# Altium PCB IFAT6.PcbDoc (part 2 of 5) (continued)
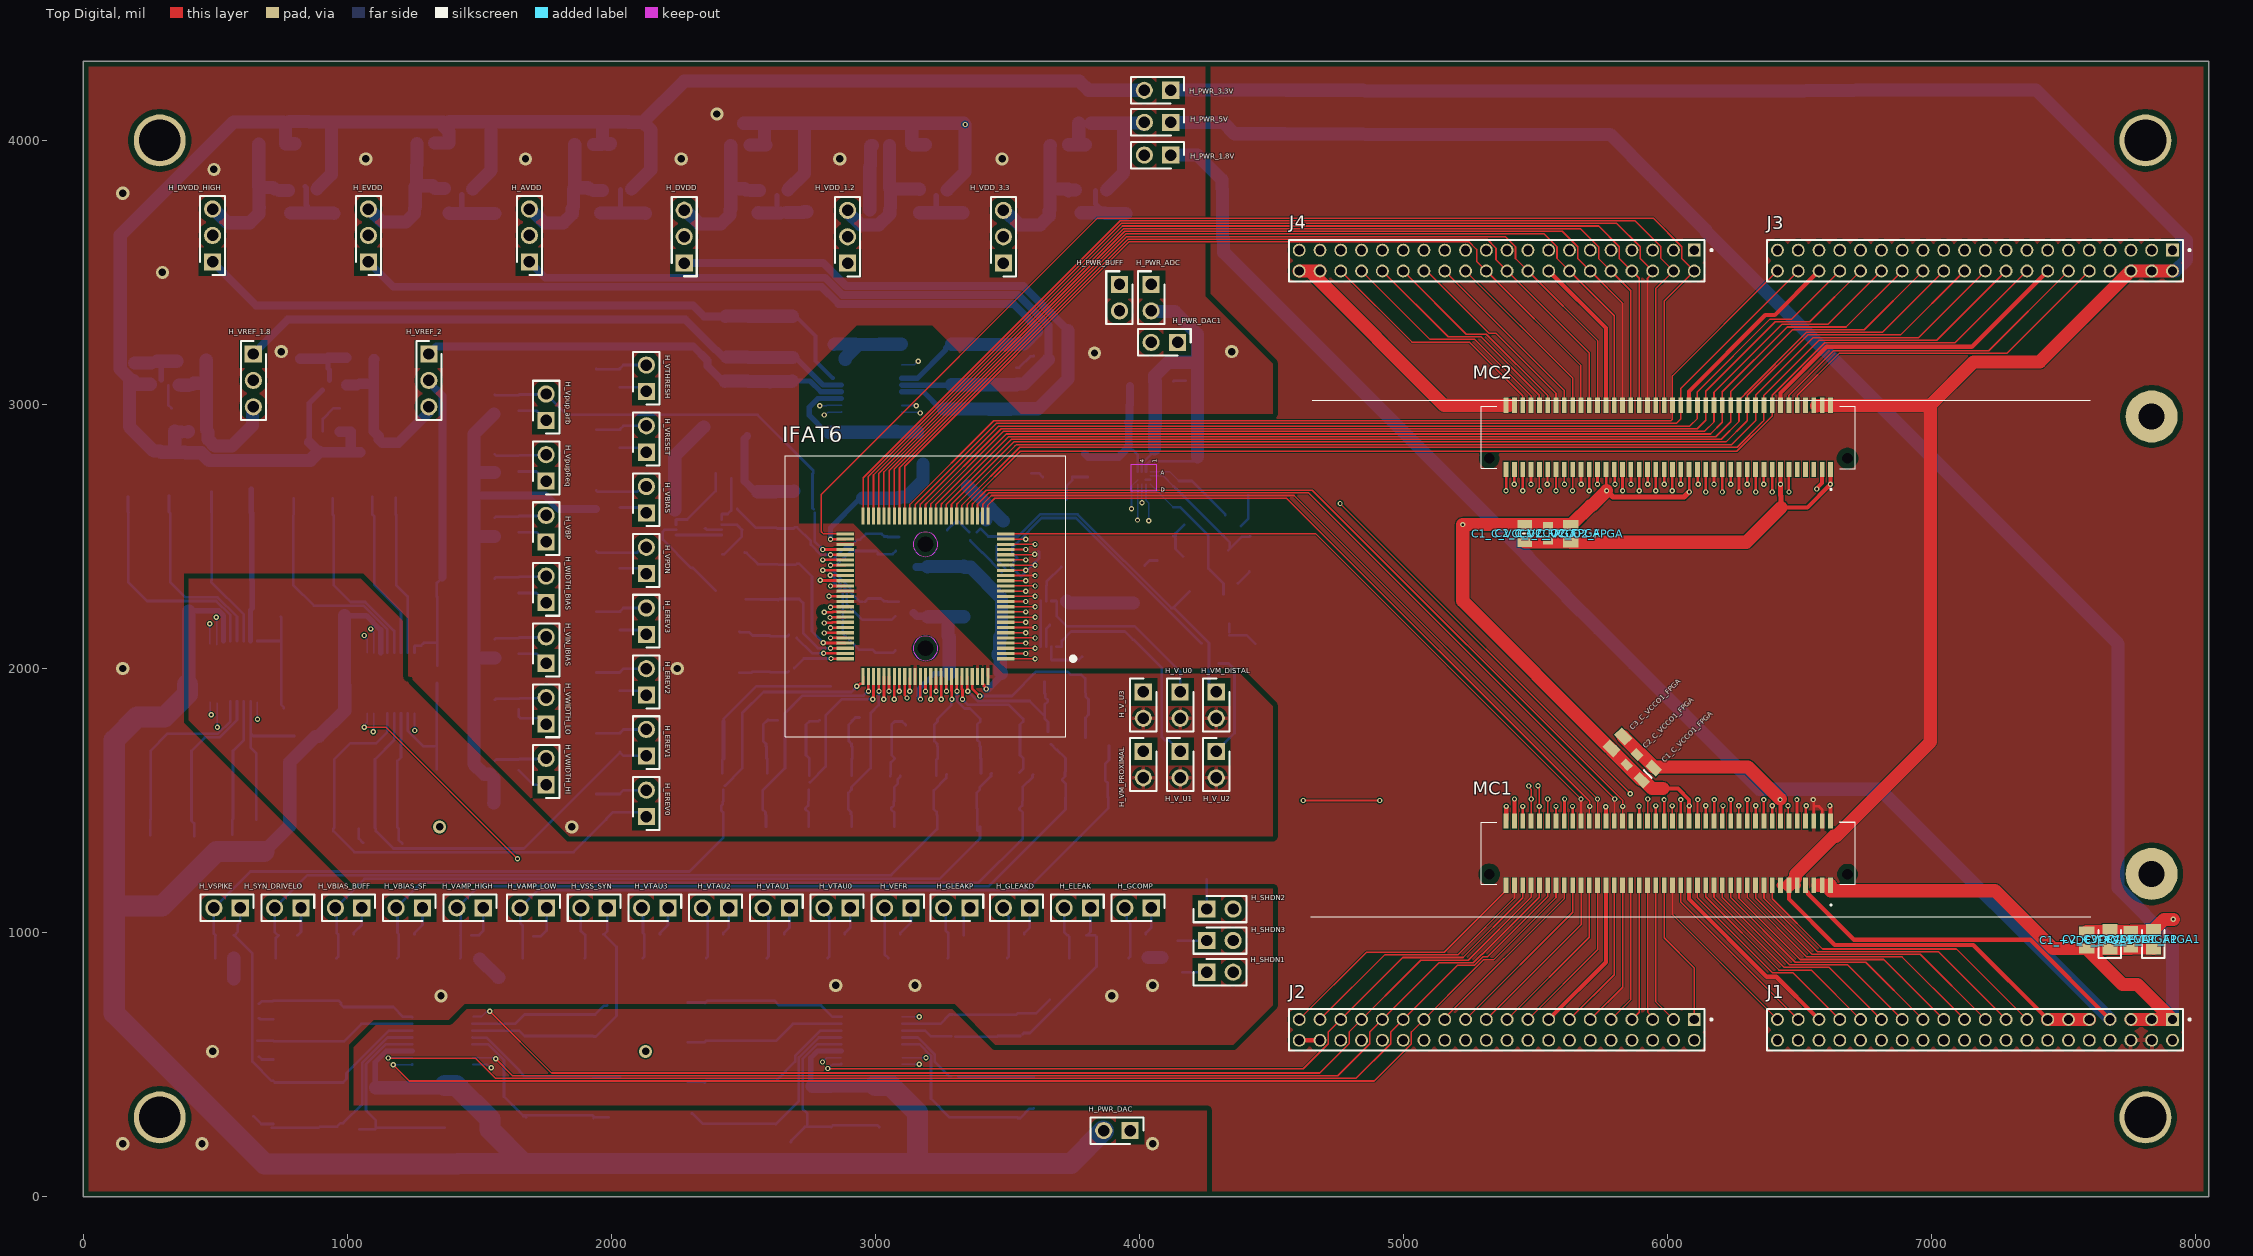
[diagram p0: Top Digital view]
## Components (designator, comment, footprint, x,y, rotation, side; value= is the part's Value field where it differs from the comment) (continued)
R_VREFR "1M" FP-CRCW0603-e3-MFG 3065,993.37 r0 bottom
R_VRESET "RP73PF1J499RBTDF" FP-RP73P-1J-MFG 2032.79,2869.17 r90 bottom value=499Ω
R_VSPIKE "RP73PF1J499RBTDF" FP-RP73P-1J-MFG 535,989.72 r180 bottom value=499Ω
R_VSS_SYN "RP73PF1J499RBTDF" FP-RP73P-1J-MFG 1935,993.37 r180 bottom value=499Ω
R_VTAU0 "1M" FP-CRCW0603-e3-MFG 2855,993.37 r0 bottom
R_VTAU1 "1M" FP-CRCW0603-e3-MFG 2625,993.37 r0 bottom
R_VTAU2 "1M" FP-CRCW0603-e3-MFG 2395,993.37 r0 bottom
R_VTAU3 "1M" FP-CRCW0603-e3-MFG 2155,993.37 r0 bottom
R_VTHRESH "RP73PF1J499RBTDF" FP-RP73P-1J-MFG 2032.79,3099.17 r90 bottom value=499Ω
R_VWIDTH_HI "RN731ETTP50R0F50" FP-RN731E-IPC_A 1650,1635 r90 bottom
R_VWIDTH_LO "RN731ETTP50R0F50" FP-RN731E-IPC_A 1650,1865 r90 bottom
R_WIDTH_BIAS "1M" FP-CRCW0603-e3-MFG 1649.27,2315.66 r270 bottom

## Footprints (in the part's own frame and the unit in brackets; to place one, negate y for a bottom-side part, rotate by r counter-clockwise, add the part's x,y. Pads: shape width x height; smd on the part's side, far side on the other; paste and mask are expansions set on the pad)
"ADI LT3045IMSE#PBF" [mm] "IC REG LINEAR 0V 500MA 12MSOP"
  rect 1.425x0.45 smd: 1(-2.212,1.625) 2(-2.212,0.975) 3(-2.212,0.325) 4(-2.212,-0.325) 5(-2.212,-0.975) 6(-2.212,-1.625) 7(2.212,-1.625) 8(2.212,-0.975) 9(2.212,-0.325) 10(2.212,0.325) 11(2.212,0.975) 12(2.212,1.625)
  rect 1.753x2.947 smd: 13(0,0)
  silkscreen extent -2.93,2.2 -1.5,2.2, body extent -2.45,-2.02 2.45,2.02, height 1.1
BGA16_YBH_TEX [mil]
  round 8 smd paste+0 mask+0: A1(-23.62,23.63) A2(-7.87,23.62) A3(7.88,23.63) A4(23.63,23.62) B1(-23.63,7.88) B2(-7.87,7.88) B3(7.88,7.87) B4(23.63,7.87) C1(-23.63,-7.87) C2(-7.88,-7.87) C3(7.87,-7.88) C4(23.62,-7.88) D1(-23.63,-23.62) D2(-7.88,-23.63) D3(7.87,-23.63) D4(23.62,-23.63)
  Keep-Out Layer region: -49,-49 -49,49 49,49 49,-49
  body extent -33,-33 33,33, height 16
CAPC1608X90N [mm]
  rect 0.78x0.99 smd: 1(-0.7,0) 2(0.7,0)
  body extent -0.8,-0.41 0.8,0.41, height 0.9
CAPC2012X88N [mm]
  rect 1.02x1.47 smd: 1(-0.8,0) 2(0.8,0)
  body extent -1,-0.63 1,0.63, height 0.88
ERA3KV_(0603) [mm]
  rect 0.65x0.9 smd: 1(-0.725,0) 2(0.725,0)
  silkscreen extent -1.62,-0.05 -1.53,0.05, body extent -0.8,-0.4 0.8,0.4, height 0.46
FP-CRCW0603-e3-MFG [mm]
  rect 0.75x1 smd paste+0 mask+0: 1(-0.75,0) 2(0.75,0)
  silkscreen extent -0.8,-0.9 0.8,0.9, body extent -0.77,-0.43 0.77,0.43, height 0.5
FP-RN731E-IPC_A [mil]
  rect 27.07x26.48 smd paste+0 mask+0: 1(-20.24,0) 2(20.24,0)
  silkscreen extent -34,-29 34,29, body extent -20,-10 20,10, height 16
FP-RP73P-1J-MFG [mm]
  rect 1x0.9 smd paste+0 mask+0: 1(-0.9,0) 2(0.9,0)
  silkscreen extent -0.03,-0.45 0.03,0.45, body extent -0.77,-0.4 0.77,0.4, height 0.55
FP-RT0603-MFG [mm]
  rect 0.9x0.8 smd paste+0 mask+0: 1(-0.85,0) 2(0.85,0)
  silkscreen extent -0.85,-0.81 0.86,0.8, body extent -0.76,-0.4 0.84,0.4, height 0.58
"KEMET C0805C104J8RACTU" [mm] "CAP CER 0.1UF 10V X7R 0805"
  rect 1.15x1.45 smd: 1(-0.9,0) 2(0.9,0)
  silkscreen extent -1.83,-1.07 0.9,1.07, body extent -1,-0.63 1,0.63, height 0.88
"KEMET C0805C106K4PACTU" [mm] "CAP CER 10UF 16V X5R 0805"
  rect 1.02x1.47 smd: 1(-0.8,0) 2(0.8,0)
  body extent -1.1,-0.44 1.1,0.44, height 1.45
"Panasonic ERA-6A Series Resistor" [mm] "RES SMD 0805"
  rect 1.05x1.4 smd: 1(-0.95,0) 2(0.95,0)
  silkscreen extent 0,-0.53 0,0.53, body extent -1,-0.63 1,0.63, height 0.6
RESC2013X60X40NL20T25 [mm] "Chip Resistor, 2-Leads, Body 2.00x1.25mm, IPC Medium Density"
  rect 1.2x1.45 smd: 1(-0.85,0) 2(0.85,0)
  body extent -1.1,-0.72 1.1,0.72, height 0.6
RESC3216X70X50NL05T20 [mm] "Chip Resistor, 2-Leads, Body 3.20x1.60mm, IPC Medium Density"
  rect 1.1x1.65 smd: 1(-1.425,0) 2(1.425,0)
  silkscreen extent -0.5,-0.72 0.5,0.73, body extent -1.63,-0.82 1.62,0.83, height 0.7
RESC3216X70X50NL20T25 [mm] "Chip Resistor, 2-Leads, Body 3.20x1.60mm, IPC Medium Density"
  rect 1.3x1.8 smd: 1(-1.4,0) 2(1.4,0)
  silkscreen extent -0.35,-0.8 0.35,0.8, body extent -1.7,-0.9 1.7,0.9, height 0.7
"Samsung CL21B Series" [mm] "CAP 0805"
  rect 0.91x1.39 smd: 1(-0.82,0) 2(0.82,0)
  silkscreen extent 0,-0.53 0,0.53, body extent -1,-0.63 1,0.63, height 0.75
"Samtec BTE-040-01-L-D-A" [mm]
  rect 0.457x1.448 smd: 1(-15.6,3.086) 2(-15.6,-3.086) 3(-14.8,3.086) 4(-14.8,-3.086) 5(-14,3.086) 6(-14,-3.086) 7(-13.2,3.086) 8(-13.2,-3.086) 9(-12.4,3.086) 10(-12.4,-3.086) 11(-11.6,3.086) 12(-11.6,-3.086) 13(-10.8,3.086) 14(-10.8,-3.086) 15(-10,3.086) 16(-10,-3.086) 17(-9.2,3.086) 18(-9.2,-3.086) 19(-8.4,3.086) 20(-8.4,-3.086) 21(-7.6,3.086) 22(-7.6,-3.086) 23(-6.8,3.086) 24(-6.8,-3.086) 25(-6,3.086) 26(-6,-3.086) 27(-5.2,3.086) 28(-5.2,-3.086) 29(-4.4,3.086) 30(-4.4,-3.086) 31(-3.6,3.086) 32(-3.6,-3.086) 33(-2.8,3.086) 34(-2.8,-3.086) 35(-2,3.086) 36(-2,-3.086) 37(-1.2,3.086) 38(-1.2,-3.086) 39(-0.4,3.086) 40(-0.4,-3.086) 41(0.4,3.086) 42(0.4,-3.086) 43(1.2,3.086) 44(1.2,-3.086) 45(2,3.086) 46(2,-3.086) 47(2.8,3.086) 48(2.8,-3.086) 49(3.6,3.086) 50(3.6,-3.086) 51(4.4,3.086) 52(4.4,-3.086) 53(5.2,3.086) 54(5.2,-3.086) 55(6,3.086) 56(6,-3.086) 57(6.8,3.086) 58(6.8,-3.086) 59(7.6,3.086) 60(7.6,-3.086) 61(8.4,3.086) 62(8.4,-3.086) 63(9.2,3.086) 64(9.2,-3.086) 65(10,3.086) 66(10,-3.086) 67(10.8,3.086) 68(10.8,-3.086) 69(11.6,3.086) 70(11.6,-3.086) 71(12.4,3.086) 72(12.4,-3.086) 73(13.2,3.086) 74(13.2,-3.086) 75(14,3.086) 76(14,-3.086) 77(14.8,3.086) 78(14.8,-3.086) 79(15.6,3.086) 80(15.6,-3.086)
  round 0.508 hole 1.016 unplated: MH1(-17.238,2.032) MH2(17.238,2.032)
  silkscreen extent -18,-3 18,5.05, body extent -18,-3.76 18,3.76, height 4.16
"Samtec TMMH-120-01-F-D" [mm] "2MM LOW PROFILE STRIPS"
  rect 1.239x1.239 hole 0.889: 1(0,0)
  round 1.239 hole 0.889: 2(0,2) 3(2,0) 4(2,2) 5(4,0) 6(4,2) 7(6,0) 8(6,2) 9(8,0) 10(8,2) 11(10,0) 12(10,2) 13(12,0) 14(12,2) 15(14,0) 16(14,2) 17(16,0) 18(16,2) 19(18,0) 20(18,2) 21(20,0) 22(20,2) 23(22,0) 24(22,2) 25(24,0) 26(24,2) 27(26,0) 28(26,2) 29(28,0) 30(28,2) 31(30,0) 32(30,2) 33(32,0) 34(32,2) 35(34,0) 36(34,2) 37(36,0) 38(36,2) 39(38,0) 40(38,2)
  silkscreen extent -1.75,-1 39,3, body extent -1,-0.99 39,2.99, height 5.21
"Samtec TSW-102-07-G-S" [mm] "CONN HEADER VERT 2POS 2.54MM"
  rect 1.65x1.65 hole 1.1: 1(0,0)
  round 1.65 hole 1.1: 2(2.54,0)
  silkscreen extent -1.27,-1.27 3.81,1.27, body extent -1.27,-1.27 3.81,1.27, height 8.38
"Samtec TSW-103-07-L-S" [mm] "CONN HEADER VERT 3POS 2.54MM"
  rect 1.65x1.65 hole 1.1: 1(0,0)
  round 1.65 hole 1.1: 2(2.54,0) 3(5.08,0)
  silkscreen extent -1.27,-1.2 6.35,1.2, body extent -1.27,-1.2 6.35,1.2, height 8.38
"Taiyo Yuden JMK316ABJ107ML-T" [mm] "CAP CER 100UF 6.3V X5R 1206"
  rect 1.07x1.82 smd: 1(-1.38,0) 2(1.38,0)
  silkscreen extent 0,-0.7 0,0.7, body extent -1.6,-0.8 1.6,0.8, height 1.8
THERM_NCP18XH103F03RB [mm]
  rrect50% 1x0.97 smd: 1(-0.735,0) 2(0.735,0)
  silkscreen extent -2.1,-0.1 -1.9,0.1
"TI OPA2320SAIDGSR" [mm] "IC OPAMP GP 2 CIRCUIT 8SON"
  rect 1.4x0.3 smd: 1(-2.2,1) 2(-2.2,0.5) 3(-2.2,0) 4(-2.2,-0.5) 5(-2.2,-1) 6(2.2,-1) 7(2.2,-0.5) 8(2.2,0) 9(2.2,0.5) 10(2.2,1)
  silkscreen extent -2.9,-1.5 1.15,1.5, body extent -2.45,-1.5 2.45,1.5, height 1.1
TI-PW16_M [mm] "SOP, 16-Leads, Body 5x4.4mm, Pitch 0.65mm, IPC Low Density"
  oval 2x0.35 smd: 1(-2.9,2.275) 2(-2.9,1.625) 3(-2.9,0.975) 4(-2.9,0.325) 5(-2.9,-0.325) 6(-2.9,-0.975) 7(-2.9,-1.625) 8(-2.9,-2.275) 9(2.9,-2.275) 10(2.9,-1.625) 11(2.9,-0.975) 12(2.9,-0.325) 13(2.9,0.325) 14(2.9,0.975) 15(2.9,1.625) 16(2.9,2.275)
  silkscreen extent -3.02,-2.55 1.5,3.12, body extent -2.25,-2.55 2.25,2.55, height 1.2
YAMAICHI_IC149-100-025-B5 [mm] "Connector, Socket; 104 pin, 27.00 mm L X 27.00 mm W X 13.50 mm H body"
  rect 1.65x0.3 smd: 1(-7.725,6) 2(-7.725,5.5) 3(-7.725,5) 4(-7.725,4.5) 5(-7.725,4) 6(-7.725,3.5) 7(-7.725,3) 8(-7.725,2.5) 9(-7.725,2) 10(-7.725,1.5) 11(-7.725,1) 12(-7.725,0.5) 13(-7.725,0) 14(-7.725,-0.5) 15(-7.725,-1) 16(-7.725,-1.5) 17(-7.725,-2) 18(-7.725,-2.5) 19(-7.725,-3) 20(-7.725,-3.5) 21(-7.725,-4) 22(-7.725,-4.5) 23(-7.725,-5) 24(-7.725,-5.5) 25(-7.725,-6) 51(7.725,-6) 52(7.725,-5.5) 53(7.725,-5) 54(7.725,-4.5) 55(7.725,-4) 56(7.725,-3.5) 57(7.725,-3) 58(7.725,-2.5) 59(7.725,-2) 60(7.725,-1.5) 61(7.725,-1) 62(7.725,-0.5) 63(7.725,0) 64(7.725,0.5) 65(7.725,1) 66(7.725,1.5) 67(7.725,2) 68(7.725,2.5) 69(7.725,3) 70(7.725,3.5) 71(7.725,4) 72(7.725,4.5) 73(7.725,5) 74(7.725,5.5) 75(7.725,6)
  rect 0.3x1.65 smd: 26(-6,-7.725) 27(-5.5,-7.725) 28(-5,-7.725) 29(-4.5,-7.725) 30(-4,-7.725) 31(-3.5,-7.725) 32(-3,-7.725) 33(-2.5,-7.725) 34(-2,-7.725) 35(-1.5,-7.725) 36(-1,-7.725) 37(-0.5,-7.725) 38(0,-7.725) 39(0.5,-7.725) 40(1,-7.725) 41(1.5,-7.725) 42(2,-7.725) 43(2.5,-7.725) 44(3,-7.725) 45(3.5,-7.725) 46(4,-7.725) 47(4.5,-7.725) 48(5,-7.725) 49(5.5,-7.725) 50(6,-7.725) 76(6,7.725) 77(5.5,7.725) 78(5,7.725) 79(4.5,7.725) 80(4,7.725) 81(3.5,7.725) 82(3,7.725) 83(2.5,7.725) 84(2,7.725) 85(1.5,7.725) 86(1,7.725) 87(0.5,7.725) 88(0,7.725) 89(-0.5,7.725) 90(-1,7.725) 91(-1.5,7.725) 92(-2,7.725) 93(-2.5,7.725) 94(-3,7.725) 95(-3.5,7.725) 96(-4,7.725) 97(-4.5,7.725) 98(-5,7.725) 99(-5.5,7.725) 100(-6,7.725)
  rect 0x0 smd rot 135 paste+0.5 mask+0.5: M1(-8.061,8.061) M3(8.061,-8.061)
  rect 0x0 smd rot 45 paste+0.5 mask+0.5: M2(-8.061,-8.061) M4(8.061,8.061)
  round 0.75 hole 1.5 unplated paste-0.75 mask+0.375: M5(0,5) M6(0,-5)
  Keep-Out Layer circle w0.025: c0,-5 r1.175
  Keep-Out Layer circle w0.025: c0,5 r1.175
  silkscreen extent -14.4,-13.5 13.5,13.5

## Part data
ADC: "No Description Available", Mfr_Name="Texas Instruments", Copyright="Copyright (C) 2022 Ultra Librarian. All rights reserved.", Manufacturer_Part_Number=ADS7067IYBHT, RefDes=RefDes, Type=DEV
Buffer1 Buffer2 Buffer3: "IC OPAMP RR CMOS 20MHZ 10VSSOP / CMOS Amplifier Circuit Rail-to-Rail 10-VSSOP", Supplier Part Number 1=296-40455-1-ND, Supplier 1=Digi-Key, Supplier 2=Digi-Key, Supplier 3=Mouser, Supplier Part Number 2=296-48160-1-ND, Supplier Part Number 3=595-OPA2320SAIDGSR
C1_+VDC_FPGA1 C1_+VDC_FPGA2 C1_+VDC_FPGA3 C1_+VDC_FPGA4 C1_AVDD_ADC C1_AVDD_DAC C1_DVDD_ADC C1_DVDD_DAC C1_DVDD_HI_DAC C1_EL_DAC C1_EVDD_DAC C1_GCOMP_DAC C1_GLDIST_DAC C1_GLPROX_DAC C1_IN_IBIAS_DAC C1_REF_ADC C1_SYN_DRLO_DAC C1_U_Capx41 C1_U_Capx42 C1_U_Capx43 C1_U_Capx44 C1_U_Capx45 C1_U_Capx46 C1_U_Capx47 C1_U_Capx48 C1_V_EREV0_DAC C1_V_EREV1_DAC C1_V_EREV2_DAC C1_V_EREV3_DAC C1_VAMP_HI_DAC C1_VAMP_LOW_DAC C1_VB_BUFF_DAC C1_VBIAS_DAC C1_VBIAS_SF_DAC C1_VBP_DAC C1_VDC_DAC1 C1_VDC_DAC2 C1_VDC_DAC3 C1_VDC_DAC4 C1_VDC_DAC5 C1_VDD_1.2_DAC C1_VPDN_DAC C1_Vpup_arb_DAC C1_VpupReq_DAC C1_VREF_1.8_DAC C1_VREF_2_DAC C1_VREF_DAC1 C1_VREF_DAC2 C1_VREF_DAC3 C1_VREF_DAC4 C1_VREF_DAC5 C1_VREFR_DAC C1_VRESET_DAC C1_VSPIKE_DAC C1_VSS_SYN_DAC C1_VTAU0_DAC C1_VTAU1_DAC C1_VTAU2_DAC C1_VTAU3_DAC C1_VTHRESH_DAC C1_WBIAS_DAC C1_WBIAS_HI_DAC C1_WBIAS_LO_DAC: "CAP CER 10UF 16V X5R 0805 / ±10% 16V Ceramic Capacitor X5R 0805 (2012 Metric)", Supplier Part Number 1=399-4925-1-ND, Supplier 1=Digi-Key, Supplier 2=Digi-Key, Supplier Part Number 2=399-11939-1-ND
C1_+VDC_FPGA5 C1_+VDC_FPGA6 C1_+VDC_FPGA7 C1_C_+VDC1 C1_C_+VDC2 C1_C_+VDC3 C1_C_AVDD C1_C_AVDD1 C1_C_EVDD1 C1_C_EVDD2 C1_C_VCCO1_FPGA C1_C_VCCO2_FPGA C1_DVDD C1_DVDD_HI C1_E_REV0 C1_E_REV1 C1_E_REV2 C1_E_REV3 C1_ELEAK C1_GCOMP C1_GL_DIS C1_GL_PROX C1_SYN_DR_LO C1_V_TAU0 C1_V_TAU1 C1_V_TAU2 C1_V_TAU3 C1_VAMP_HIGH C1_VAMP_LOW C1_VBIAS C1_VBIAS_BUFF C1_VBIAS_SF C1_VBP C1_VIN_IBIAS C1_VPDN C1_VpupArb C1_VpupReq C1_VREFR C1_VRESET C1_VSPIKE C1_VSS_SYN C1_VTHRESH C1_WBIAS C1_WBIAS_HI C1_WBIAS_LO C3_+VDC_FPGA1 C3_+VDC_FPGA2 C3_+VDC_FPGA3 C3_+VDC_FPGA4 C3_AVDD_ADC C3_AVDD_DAC C3_DVDD_ADC C3_DVDD_DAC C3_DVDD_HI_DAC C3_EL_DAC C3_EVDD_DAC C3_GCOMP_DAC C3_GLDIST_DAC C3_GLPROX_DAC C3_IN_IBIAS_DAC C3_REF_ADC C3_SYN_DRLO_DAC C3_U_Capx41 C3_U_Capx42 C3_U_Capx43 C3_U_Capx44 C3_U_Capx45 C3_U_Capx46 C3_U_Capx47 C3_U_Capx48 C3_V_EREV0_DAC C3_V_EREV1_DAC C3_V_EREV2_DAC C3_V_EREV3_DAC C3_VAMP_HI_DAC C3_VAMP_LOW_DAC C3_VB_BUFF_DAC C3_VBIAS_DAC C3_VBIAS_SF_DAC C3_VBP_DAC C3_VDC_DAC1 C3_VDC_DAC2 C3_VDC_DAC3 C3_VDC_DAC4 C3_VDC_DAC5 C3_VDD_1.2_DAC C3_VPDN_DAC C3_Vpup_arb_DAC C3_VpupReq_DAC C3_VREF_1.8_DAC C3_VREF_2_DAC C3_VREF_DAC1 C3_VREF_DAC2 C3_VREF_DAC3 C3_VREF_DAC4 C3_VREF_DAC5 C3_VREFR_DAC C3_VRESET_DAC C3_VSPIKE_DAC C3_VSS_SYN_DAC C3_VTAU0_DAC C3_VTAU1_DAC C3_VTAU2_DAC C3_VTAU3_DAC C3_VTHRESH_DAC C3_WBIAS_DAC C3_WBIAS_HI_DAC C3_WBIAS_LO_DAC: "Ceramic Capacitor, Multilayer, Ceramic, 50V, 10% +Tol, 10% -Tol, X7R, 15% TC, 0.001uF, Surface Mount, 0805", Supplier Part Number 1=1276-2424-1-ND, Supplier 1=Digi-Key
C2_+VDC_FPGA1 C2_+VDC_FPGA2 C2_+VDC_FPGA3 C2_+VDC_FPGA4 C2_AVDD_ADC C2_AVDD_DAC C2_DVDD_ADC C2_DVDD_DAC C2_DVDD_HI_DAC C2_EL_DAC C2_EVDD_DAC C2_GCOMP_DAC C2_GLDIST_DAC C2_GLPROX_DAC C2_IN_IBIAS_DAC C2_REF_ADC C2_SYN_DRLO_DAC C2_U_Capx41 C2_U_Capx42 C2_U_Capx43 C2_U_Capx44 C2_U_Capx45 C2_U_Capx46 C2_U_Capx47 C2_U_Capx48 C2_V_EREV0_DAC C2_V_EREV1_DAC C2_V_EREV2_DAC C2_V_EREV3_DAC C2_VAMP_HI_DAC C2_VAMP_LOW_DAC C2_VB_BUFF_DAC C2_VBIAS_DAC C2_VBIAS_SF_DAC C2_VBP_DAC C2_VDC_DAC1 C2_VDC_DAC2 C2_VDC_DAC3 C2_VDC_DAC4 C2_VDC_DAC5 C2_VDD_1.2_DAC C2_VPDN_DAC C2_Vpup_arb_DAC C2_VpupReq_DAC C2_VREF_1.8_DAC C2_VREF_2_DAC C2_VREF_DAC1 C2_VREF_DAC2 C2_VREF_DAC3 C2_VREF_DAC4 C2_VREF_DAC5 C2_VREFR_DAC C2_VRESET_DAC C2_VSPIKE_DAC C2_VSS_SYN_DAC C2_VTAU0_DAC C2_VTAU1_DAC C2_VTAU2_DAC C2_VTAU3_DAC C2_VTHRESH_DAC C2_WBIAS_DAC C2_WBIAS_HI_DAC C2_WBIAS_LO_DAC C_1_AVDD C_1_DVDD C_1_DVDD_HIGH C_1_EVDD C_1_VDD_1.2 C_1_VDD_3.3 C_1_VREF_1.8 C_1_VREF_2v C_3_AVDD C_3_DVDD C_3_DVDD_HIGH C_3_EVDD C_3_VDD_1.2 C_3_VDD_3.3 C_3_VREF_1.8 C_3_VREF_2v C_ELEAK C_EREV0 C_EREV1 C_EREV2 C_EREV3 C_GCOMP C_GLEAKD C_GLEAKP C_SYN_DRIVELO C_VAMP_HIGH C_VAMP_LOW C_VBIAS C_VBIAS_BUFF C_VBIAS_SF C_VBP C_VIN_IBIAS C_VPDN C_Vpup_arb C_VpupReq C_VREFR C_VRESET C_VSPIKE C_VSS_SYN C_VTAU0 C_VTAU1 C_VTAU2 C_VTAU3 C_VTHRESH C_VWIDTH_HI C_VWIDTH_LO C_WIDTH_BIAS: "CAP CER 0.1UF 10V X7R 0805 / ±10% 10V Ceramic Capacitor X7R 0805 (2012 Metric)", Supplier Part Number 1=478-5311-1-ND, Supplier 1=Digi-Key
C2_+VDC_FPGA5 C2_+VDC_FPGA6 C2_+VDC_FPGA7 C2_C_+VDC1 C2_C_+VDC2 C2_C_+VDC3 C2_C_AVDD C2_C_AVDD1 C2_C_EVDD1 C2_C_EVDD2 C2_C_VCCO1_FPGA C2_C_VCCO2_FPGA C2_DVDD C2_DVDD_HI C2_E_REV0 C2_E_REV1 C2_E_REV2 C2_E_REV3 C2_ELEAK C2_GCOMP C2_GL_DIS C2_GL_PROX C2_SYN_DR_LO C2_V_TAU0 C2_V_TAU1 C2_V_TAU2 C2_V_TAU3 C2_VAMP_HIGH C2_VAMP_LOW C2_VBIAS C2_VBIAS_BUFF C2_VBIAS_SF C2_VBP C2_VIN_IBIAS C2_VPDN C2_VpupArb C2_VpupReq C2_VREFR C2_VRESET C2_VSPIKE C2_VSS_SYN C2_VTHRESH C2_WBIAS C2_WBIAS_HI C2_WBIAS_LO: library part "Cap 100pF 0603", "Capacitor", Arrow Part Number=06035A101FAT2A, Manufacturer_Name=AVX, Mouser Part Number=581-06035A101F, Supplier Part Number 1=478-6202-1-ND, Arrow Price/Stock=https://www.arrow.com/en/products/06035a101fat2a/avx?region=nac, Datasheet Link=https://componentsearchengine.com/Datasheets/1/06031A100FAT2A.pdf, Height=0.9mm, Manufacturer_Part_Number=06035A101FAT2A, Mouser Price/Stock=https://www.mouser.co.uk/ProductDetail/AVX/06035A101FAT2A?qs=AGOxcRBkg6ajfVvm2Jvp8A%3D%3D, Supplier 1=Digi-Key
C3_+VDC_FPGA5 C3_+VDC_FPGA6 C3_+VDC_FPGA7 C3_C_+VDC1 C3_C_+VDC2 C3_C_+VDC3 C3_C_AVDD C3_C_AVDD1 C3_C_EVDD1 C3_C_EVDD2 C3_C_VCCO1_FPGA C3_C_VCCO2_FPGA C3_DVDD C3_DVDD_HI C3_E_REV0 C3_E_REV1 C3_E_REV2 C3_E_REV3 C3_ELEAK C3_GCOMP C3_GL_DIS C3_GL_PROX C3_SYN_DR_LO C3_V_TAU0 C3_V_TAU1 C3_V_TAU2 C3_V_TAU3 C3_VAMP_HIGH C3_VAMP_LOW C3_VBIAS C3_VBIAS_BUFF C3_VBIAS_SF C3_VBP C3_VIN_IBIAS C3_VPDN C3_VpupArb C3_VpupReq C3_VREFR C3_VRESET C3_VSPIKE C3_VSS_SYN C3_VTHRESH C3_WBIAS C3_WBIAS_HI C3_WBIAS_LO: library part "Cap 10pF 0805", "Capacitor", Arrow Part Number=C0805C100J5GACTU, Manufacturer_Name=Kemet, Mouser Part Number=80-C0805C100J5G, Supplier Part Number 1=399-C0805C100J5GAC7800CT-ND, Arrow Price/Stock=https://www.arrow.com/en/products/c0805c100j5gactu/kemet-corporation?region=nac, Datasheet Link=http://www.mouser.com/ds/2/212/KEM_C1003_C0G_SMD-356956.pdf, Height=0.88mm, Manufacturer_Part_Number=C0805C100J5GACTU, Mouser Price/Stock=https://www.mouser.co.uk/ProductDetail/KEMET/C0805C100J5GACTU?qs=nxj9Bpd7lumc4YIny1qjLA%3D%3D, Supplier 1=Digi-Key
C4_+VDC_FPGA1 C4_+VDC_FPGA2 C4_+VDC_FPGA3 C4_+VDC_FPGA4 C4_AVDD_ADC C4_AVDD_DAC C4_DVDD_ADC C4_DVDD_DAC C4_DVDD_HI_DAC C4_EL_DAC C4_EVDD_DAC C4_GCOMP_DAC C4_GLDIST_DAC C4_GLPROX_DAC C4_IN_IBIAS_DAC C4_REF_ADC C4_SYN_DRLO_DAC C4_U_Capx41 C4_U_Capx42 C4_U_Capx43 C4_U_Capx44 C4_U_Capx45 C4_U_Capx46 C4_U_Capx47 C4_U_Capx48 C4_V_EREV0_DAC C4_V_EREV1_DAC C4_V_EREV2_DAC C4_V_EREV3_DAC C4_VAMP_HI_DAC C4_VAMP_LOW_DAC C4_VB_BUFF_DAC C4_VBIAS_DAC C4_VBIAS_SF_DAC C4_VBP_DAC C4_VDC_DAC1 C4_VDC_DAC2 C4_VDC_DAC3 C4_VDC_DAC4 C4_VDC_DAC5 C4_VDD_1.2_DAC C4_VPDN_DAC C4_Vpup_arb_DAC C4_VpupReq_DAC C4_VREF_1.8_DAC C4_VREF_2_DAC C4_VREF_DAC1 C4_VREF_DAC2 C4_VREF_DAC3 C4_VREF_DAC4 C4_VREF_DAC5 C4_VREFR_DAC C4_VRESET_DAC C4_VSPIKE_DAC C4_VSS_SYN_DAC C4_VTAU0_DAC C4_VTAU1_DAC C4_VTAU2_DAC C4_VTAU3_DAC C4_VTHRESH_DAC C4_WBIAS_DAC C4_WBIAS_HI_DAC C4_WBIAS_LO_DAC: "100 µF ±20% 6.3V Ceramic Capacitor X5R 0805 (2012 Metric)", Supplier Part Number 1=58Y4653, Supplier 1=Newark
C_2_AVDD C_2_DVDD C_2_DVDD_HIGH C_2_EVDD C_2_VDD_1.2 C_2_VDD_3.3 C_2_VREF_1.8 C_2_VREF_2v C_4_AVDD C_4_DVDD C_4_DVDD_HIGH C_4_EVDD C_4_VDD_1.2 C_4_VDD_3.3 C_4_VREF_1.8 C_4_VREF_2v: "CAP CER 100UF 6.3V X5R 1206 / ±20% 6.3V Ceramic Capacitor X5R 1206 (3216 Metric)", Supplier Part Number 1=7661078, LatestRevisionDate=29-May-2009, LatestRevisionNote="IPC-7351 Footprint Added.", PackageReference=C1206, Published=8-Jun-2000, Publisher="Altium Limited", Supplier 1=RSComponents
C_ADC1 C_ADC2 C_ADC3 C_ADC4 C_ADC5 C_ADC6: "Capacitor", Supplier Part Number 1=81-GCM1885C1H681FAD, LatestRevisionDate=17-Jul-2002, LatestRevisionNote="Re-released for DXP Platform.", PackageDescription="Radial Cap, Thru-Hole; 2 Leads; 0.3 in Pin Spacing", PackageReference=RAD-0.3, Published=8-Jun-2000, Publisher="Altium Limited", Supplier 1=Mouser
DAC1 DAC2 DAC3 DAC4 DAC5: library part CMP-0004-01120-1, "16-Bit, Octal Channel, Ultra-Low Glitch, Voltage Output DAC with 2.5 V, 2 ppm/degC Internal Reference, -40 to 125 degC, 16-pin SOP (PW16), Green (RoHS & no Sb/Br)", Manufacturer="Texas Instruments", Power Consumption(Typ)(mW)=2.2, Code_JEDEC=MO-153, ComponentLink1Description="Manufacturer URL", ComponentLink1URL=http://www.ti.com/, ComponentLink2Description=Datasheet, ComponentLink2URL=http://www.ti.com/general/docs/lit/getliterature.tsp?genericPartNumber=DAC8568&fileType=pdf, ComponentLink3Description="Package Specification", ComponentLink3URL=http://www.ti.com/lit/ml/mpds361/mpds361.pdf, DAC Channels=8, DatasheetVersion=SBAS430D, DNL(Max)(+/-LSB)=1, Eco-Plan="Green (RoHS & no Sb/Br)", INL(Max)(+/-LSB)=12, Interface="Serial SPI", Mounting Technology="Surface Mount", PackageDescription="16-Pin Plastic Small Outline, Body 5 x 4.4 mm, Pitch 0.65 mm", PackageReference=PW16, PackageVersion="4040064-4/G, 02/2011", PartNumber=DAC8568IAPW, Resolution(Bits)=16, Settling Time(us)=5, SFDR(dB)=63, SNR(dB)=83, SubFamily="Precision DAC (=<10MSPS)"
H_AVDD H_DVDD H_DVDD_HIGH H_EVDD H_VDD_1.2 H_VDD_3.3 H_VREF_1.8 H_VREF_2: "CONN HEADER VERT 3POS 2.54MM / Connector Header Through Hole 3 position 0.100\" (2.54mm)", Supplier Part Number 1=SAM1031-03-ND, Supplier 1=Digi-Key
H_ELEAK H_EREV0 H_EREV1 H_EREV2 H_EREV3 H_GCOMP H_GLEAKD H_GLEAKP H_PWR_1.8V H_PWR_3.3V H_PWR_5V H_PWR_ADC H_PWR_BUFF H_PWR_DAC H_PWR_DAC1 H_SHDN1 H_SHDN2 H_SHDN3 H_SYN_DRIVELO H_V_U0 H_V_U1 H_V_U2 H_V_U3 H_VAMP_HIGH H_VAMP_LOW H_VBIAS H_VBIAS_BUFF H_VBIAS_SF H_VBP H_VEFR H_VIN_IBIAS H_VM_DISTAL H_VM_PROXIMAL H_VPDN H_Vpup_arb H_VpupReq H_VRESET H_VSPIKE H_VSS_SYN H_VTAU0 H_VTAU1 H_VTAU2 H_VTAU3 H_VTHRESH H_VWIDTH_HI H_VWIDTH_LO H_WIDTH_BIAS: "CONN HEADER VERT 2POS 2.54MM / Connector Header Through Hole 2 position 0.100\" (2.54mm)", Supplier Part Number 1=SAM1029-02-ND, Supplier 1=Digi-Key
IFAT6: "100 pin QFP", Manufacturer_Name="Yamaichi Electronics", Manufacturer_Part_Number=IC149-100-025-B5, Mouser Part Number=945-IC149-100-025-B5, Datasheet Link=https://www.mouser.com/datasheet/2/448/Yamaichi_Electronics_08162018_IC149-100-x25-x5x_L-1391528.pdf, Mouser Price/Stock=https://www.mouser.com/ProductDetail/Yamaichi-Electronics/IC149-100-025-B5?qs=nO3wRANIIvnwx1%2FO7RgPQA%3D%3D&countrycode=US&currencycode=USD
J1 J2 J3 J4: "2MM LOW PROFILE STRIPS / Connector Header position", Manufacturer="Generic Components", Supplier Part Number 1=TMMH-120-01-F-D-ND, Class I=Connector, Publisher="Altium Limited", Revision="July-2002: Re-released for DXP Platform.", Supplier 1=Digi-Key
LDO_AVDD LDO_DVDD LDO_DVDD_HIGH LDO_EVDD LDO_VDD_1.2 LDO_VDD_3.3 LDO_VREF_1.8 LDO_VREF_2v: "IC REG LINEAR 0V 500MA 12MSOP / Linear Voltage Regulator IC Output 500mA 12-MSOP-EP", Supplier Part Number 1=LT3045IMSE#PBF-ND, Supplier 1=Digi-Key, Supplier 2=Digi-Key, Supplier Part Number 2=505-LT3045IMSE#PBF-ND
MC1 MC2: "Board Stacking Connector, 80 Contact(s), 2 Row(s), Male, Straight, 0.031 inch Pitch, Surface Mount Terminal, Receptacle", Supplier Part Number 1=SAM8745-ND, Date="November 14, 2003", Supplier 1=Digi-Key
R_ADC1 R_ADC2 R_ADC3 R_ADC4 R_ADC5 R_ADC6: library part CMP-2003-00541-1, Manufacturer=Panasonic, Part Number=ERJ-8GEY0R00V
R_AVDD R_DVDD_HIGH R_EVDD R_VREF_1.8: library part "Res 18k 0.05% 0603", "Resistor", Manufacturer_Name=Panasonic, Manufacturer_Part_Number=ERA-3VRW1802V, Supplier Part Number 1=10-ERA-3VRW1802VCT-ND, Datasheet Link=http://industrial.panasonic.com/cdbs/www-data/pdf/RDM0000/RDM0000C331.pdf, Height=0.4mm, Supplier 1=Digi-Key
R_COMP R_GLEAKD R_GLEAKP R_VBIAS R_VBIAS_BUFF R_VBIAS_SF R_VBP R_VIN_IBIAS R_VPDN R_Vpup_arb R_VpupReq R_VREFR R_VTAU0 R_VTAU1 R_VTAU2 R_VTAU3 R_WIDTH_BIAS: library part CMP-2000-03013-2, "RES Thick Film, 1MΩ, 1%, 0.1W, 100ppm/°C, 0603", Case Code (Imperial)=0603, Case Code (Metric)=1608, Max Operating Temperature=155°C, Max Power Dissipation=100mW, Min Operating Temperature=-55°C, Package Quantity=10, Resistance=1MR, Temperature Coefficient=100ppm/°C, Tolerance=1%, Voltage Rating=75V, Case/Package=0603, Composition="Thick Film", Contact Plating=Tin, Depth=0.85mm, Features="Automotive AEC-Q200", Height=0.45mm, Lead Free="Lead Free", Length=1.55mm, Military Standard=Not, Mount="Surface Mount", Number of Pins=2, Number of Terminations=2, Packaging="Tape and Reel", Power Rating=100mW, Radiation Hardening=No, Termination=SMD/SMT, Voltage Rating (DC)=75V, Weight=7.1E-05oz, Width=0.85mm
R_DVDD R_VDD_1.2: library part CMP-2003-04416-1, Manufacturer=Panasonic, Part Number=ERA8AEB123V
R_ELEAK R_EREV0 R_EREV1 R_EREV2 R_EREV3 R_SYN_DRIVELO R_VRESET R_VSPIKE R_VSS_SYN R_VTHRESH: library part CMP-03211-011223-1, "RES SMD 499 OHM 0.1% 1/6W 0603", Manufacturer="TE Connectivity", Package=RP73P-1J, Power Rating=0.166W, Resistance=499Ω, Temperature="-55°C to +155°C", Temperature Coefficient=25ppm/°C, Temperature Range High=+155°C, Temperature Range Low=-55°C, Tolerance=0.001, Voltage Rating=100V, Automotive=No, Category=Res, ComponentLink2Description=Datasheet, ComponentLink2URL=https://www.te.com/commerce/DocumentDelivery/DDEController?Action=srchrtrv&DocNm=1773272&DocType=DS&DocLang=English, Composition="Thin Film", Device Class L1="Passive Components", Device Class L2=Resistors, Device Class L3="Chip SMD Resistors", Digikey Description="RES SMD 499 OHM 0.1% 1/6W 0603", Height=0.55mm, Ipc Land Pattern Name=RESC15580X45, Lead Free=Yes, Manufacturer Part Number=RP73PF1J499RBTDF, Mouser Description="Thin Film Resistors - SMD RP 1J 0.166W 499R 0.1% 25PPM 1K RL", Octopart=https://octopart.com/rp73pf1j499rbtdf-te+connectivity-45466091, RoHS=TRUE, Series=RP73P
R_SHDN1 R_SHDN2 R_SHDN3 R_V_U0 R_V_U1 R_V_U2 R_V_U3 R_VM_DISTAL R_VM_PROXIMAL: "RES 1M OHM 0.1% 1/8W 0805 / 1 ±0.1% 0.125W, 1/8W Chip Resistor 0805 (2012 Metric) Automotive AEC-Q200 Thin Film", Supplier Part Number 1=P1MDACT-ND, Supplier 1=Digi-Key, Supplier 2=Digi-Key, Supplier Part Number 2=YAG1821CT-ND
R_VAMP_HIGH R_VAMP_LOW R_VWIDTH_HI R_VWIDTH_LO: library part CMP-04015-013028-1, "50Ω ±1% 0.063W, 1/16W Chip Resistor 0402 (1005 Metric) Moisture Resistant Thin Film", Resistance=50
R_VDD_3.3: library part CMP-2001-00630-1, Manufacturer=Panasonic, Part Number=ERA6AEB333V
R_VREF_2v: library part CMP-03412-016182-1, "RES SMD 20K OHM 0.1% 1/10W 0603", Manufacturer=Yageo, Manufacturer Part Number=RT0603BRE0720KL, Package=RT0603, Power Rating=0.1W, Resistance=20KΩ, Temperature="-55°C to +155°C", Temperature Coefficient="50 ppm/°C", Temperature Range High=+155°C, Temperature Range Low=-55°C, Tolerance=0.001, Voltage Rating=75V, Automotive=No, Category=Res, ComponentLink2Description=Datasheet, ComponentLink2URL=http://www.yageo.com/documents/recent/PYu-RT_1-to-0.01_RoHS_L_9.pdf, Composition="Thin Film", Device Class L1="Passive Components", Device Class L2=Resistors, Device Class L3="Chip SMD Resistors", Digikey Description="RES SMD 20K OHM 0.1% 1/10W 0603", Footprint Url=http://www.yageo.com/exep/pages/download/literatures/PYu-R_Mount_10.pdf, Height=0.55mm, Ipc Land Pattern Name=RESC16080X45, Lead Free=Yes, Octopart=https://octopart.com/rt0603bre0720kl-yageo-1390266, RoHS=TRUE, Series=RT

## Free pads (board coordinates)
  round 196.85 hole 157.48 unplated: 0(290,300) 0(290,4000) 0(7810,300)
  round 196.85 hole 157.48: 0(7810,4000)
  round 196.85 hole 98.43: MH(7833.53,1222.07) MH(7833.53,2954.35)

## Via types
v1: diameter 20, hole 10, Top Digital to Digital, 100 vias
v2: diameter 20, hole 10, Top Digital to Bottom Analog, 81 vias
v3: diameter 20, hole 10, Analog 2 to Bottom Analog, 66 vias
v4: diameter 20, hole 10, Analog 1 to Bottom Analog, 34 vias
v5: diameter 50, hole 28, Top Digital to Bottom Analog, 26 vias
v6: diameter 8, hole 6, Analog 2 to Bottom Analog, 3 vias

## Nets (pads, with @x,y where several pads share a name; then routed paths per layer and width w, separated by ;. In a path a pad name is that pad's centre, name@x,y a point inside that pad or via, vN(x,y) a via of type N, cw(c..) or ccw(c..) an arc to the next point about the centre after c; other vN are vias at no path point)
+1.0VDD: J1.4 J1.6 MC1.4 MC1.6 | length 1840.1
  Top Digital w10: v1@6552.07,1500.44 6553.57,1498.94 6553.57,1478.56 6554.45,1477.68 ; MC1.6@6554.45,1427.43 6554.45,1477.68 ; MC1.4@6585.94,1427.43 6585.94,1465.69 6573.95,1477.68 6554.45,1477.68
  Digital w20: v1(6551.88,1503.56) 6552.32,1504 6897.22,1504 7714.44,686.78 7714.44,632.49 J1.6@7754.79,592.14 J1.4@7833.53,592.14
+VCCBATT: J3.3 MC2.3 | length 1764.4
  Top Digital w15: v1(6565,2680) 6565,2681.35 6585.61,2701.97 MC2.3@6585.61,2753.99
  Digital w15: v1(6565,2680) 6565,2723.44 6894.65,3053.09 7116.88,3053.09 7554.46,3490.66 7554.46,3513.43 7586.64,3545.62 7794.88,3545.62 J3.3@7833.53,3584.27
+VDC: C1_+VDC_FPGA1.1 C1_+VDC_FPGA2.1 C1_+VDC_FPGA5.1 C2_+VDC_FPGA1.1 C2_+VDC_FPGA2.1 C2_+VDC_FPGA5.2 C3_+VDC_FPGA1.1 C3_+VDC_FPGA2.1 C3_+VDC_FPGA5.2 C4_+VDC_FPGA1.1 C4_+VDC_FPGA2.1 H_PWR_5V.1 J1.1 J1.3 J1.5 MC1.1 MC1.3 MC1.5 | length 7846.1
  Top Digital w16: MC1.1@6617.11,1179.19 6618.11,1178.19 MC1.1@6618.11,1158.69
  Top Digital w50: 6570,1179.19 MC1.1@6617.11,1179.19 ; MC1.1@6618.11,1158.69 7240.57,1158.69 7459.95,939.31 C1_+VDC_FPGA1.1@7583.56,939.31 ; C1_+VDC_FPGA1.1@7591.44,935 7723.5,802.94 7780.21,802.94 J1.1@7912.27,670.88 J1.5@7754.79,670.88 ; C1_+VDC_FPGA1.1@7591.44,939.74 C2_+VDC_FPGA1.1@7671.46,939.74 ; C2_+VDC_FPGA1.1@7675,939.74 C3_+VDC_FPGA1.1@7755,939.74 ; C3_+VDC_FPGA1.1@7757.36,941.14 7838.43,941.14 C4_+VDC_FPGA1.1@7840,939.57
  Bottom Analog w50: H_PWR_5V.1@4118.86,4068.19 4316.64,4068.19 4359.84,4025 C1_+VDC_FPGA5.1@4550.14,4025 ; C1_+VDC_FPGA5.1@4552.5,4024.57 C3_+VDC_FPGA5.2@4846.56,4024.57 ; C3_+VDC_FPGA5.2@4854.43,4022.4 5782.6,4022.4 C1_+VDC_FPGA2.1@5941.94,3863.06 ; C1_+VDC_FPGA2.1@5947.51,3857.49 C3_+VDC_FPGA2.1@6145.56,3659.44 ; C3_+VDC_FPGA2.1@6145.91,3653.11 7706.1,2092.91 7706.1,1169.28 7912.27,963.12 J1.1@7912.27,670.88
+VDC_1.8: C1_+VDC_FPGA4.1 C1_+VDC_FPGA7.1 C2_+VDC_FPGA4.1 C2_+VDC_FPGA7.2 C3_+VDC_FPGA4.1 C3_+VDC_FPGA7.2 C4_+VDC_FPGA4.1 H_PWR_1.8V.1 J1.7 MC1.7 | length 6428.1
  Top Digital w16: MC1.7@6522.95,1178.93 6523.62,1178.27 6523.62,1158.69 6533.12,1149.18 6533.12,1145.71 6706,972.84 7374.09,972.84 J1.7@7676.05,670.88
  Bottom Analog w50: H_PWR_1.8V.1@4118.89,3944.28 4220.03,3944.28 4312.44,3851.87 C1_+VDC_FPGA7.1@4312.44,3817.36 ; C3_+VDC_FPGA7.2@4314.8,3630 C1_+VDC_FPGA7.1@4314.8,3815 ; C3_+VDC_FPGA7.2@4318.74,3626.06 4318.74,3576.72 C1_+VDC_FPGA4.1@5472.73,2422.73 ; C1_+VDC_FPGA4.1@5466.2,2425.64 C2_+VDC_FPGA4.1@5613.41,2278.43 ; C2_+VDC_FPGA4.1@5617.31,2272.3 C3_+VDC_FPGA4.1@5735.64,2153.98 ; C3_+VDC_FPGA4.1@5738.98,2150.64 C4_+VDC_FPGA4.1@5872.3,2017.31 ; C4_+VDC_FPGA4.1@5877.45,2012.44 6347.33,1542.56 6804.37,1542.56 J1.7@7676.05,670.88
+VDC_1.8_LDO: C_1_DVDD.1 C_1_VDD_1.2.1 C_2_DVDD.1 C_2_VDD_1.2.1 H_PWR_1.8V.2 LDO_DVDD.1 LDO_DVDD.2 LDO_DVDD.3 LDO_DVDD.4 LDO_DVDD.7 LDO_VDD_1.2.1 LDO_VDD_1.2.2 LDO_VDD_1.2.3 LDO_VDD_1.2.4 LDO_VDD_1.2.7 | length 2371.5
  Analog 1 w50: v2(3340,4060) 3903.17,4060 H_PWR_1.8V.2@4016.92,3946.25
  Bottom Analog w50: C_2_DVDD.1@2501.94,4065.01 2731.29,4065.01 ; LDO_DVDD.1@2525.11,3982.53 2585.74,3982.53 ; LDO_DVDD.3@2575.99,3994.74 2580.15,3998.89 C_1_DVDD.1@2580.15,4055.05 ; 2669.2,3812.46 2731.29,3874.54 2731.29,4065.01 ; 3188.63,3983.58 3140.6,3983.58 3137.55,3986.63 C_2_VDD_1.2.1@3137.55,4065.01 ; 3272.1,3812.46 3340,3880.36 v2(3340,4060) 3334.99,4065.01 C_2_VDD_1.2.1@3137.55,4065.01 ; 2731.29,4065.01 C_2_VDD_1.2.1@3137.55,4065.01